# Altium PCB Control_Board_Model_C204.PcbDoc (part 1 of 6)
Units mm, origin at the board's own origin, x right, y up, seen from the top; angles counter-clockwise.
Board outline 50 x 50 mm, 8 copper layers (1-Top, 2-GND, 3-SIGNAL, 4-PWR, 5-GND, 6-SIGNAL, 7-GND, 8-Bottom), stack 0.972 mm thick; 432 components, 324 nets, 1521 pads, 1172 vias.
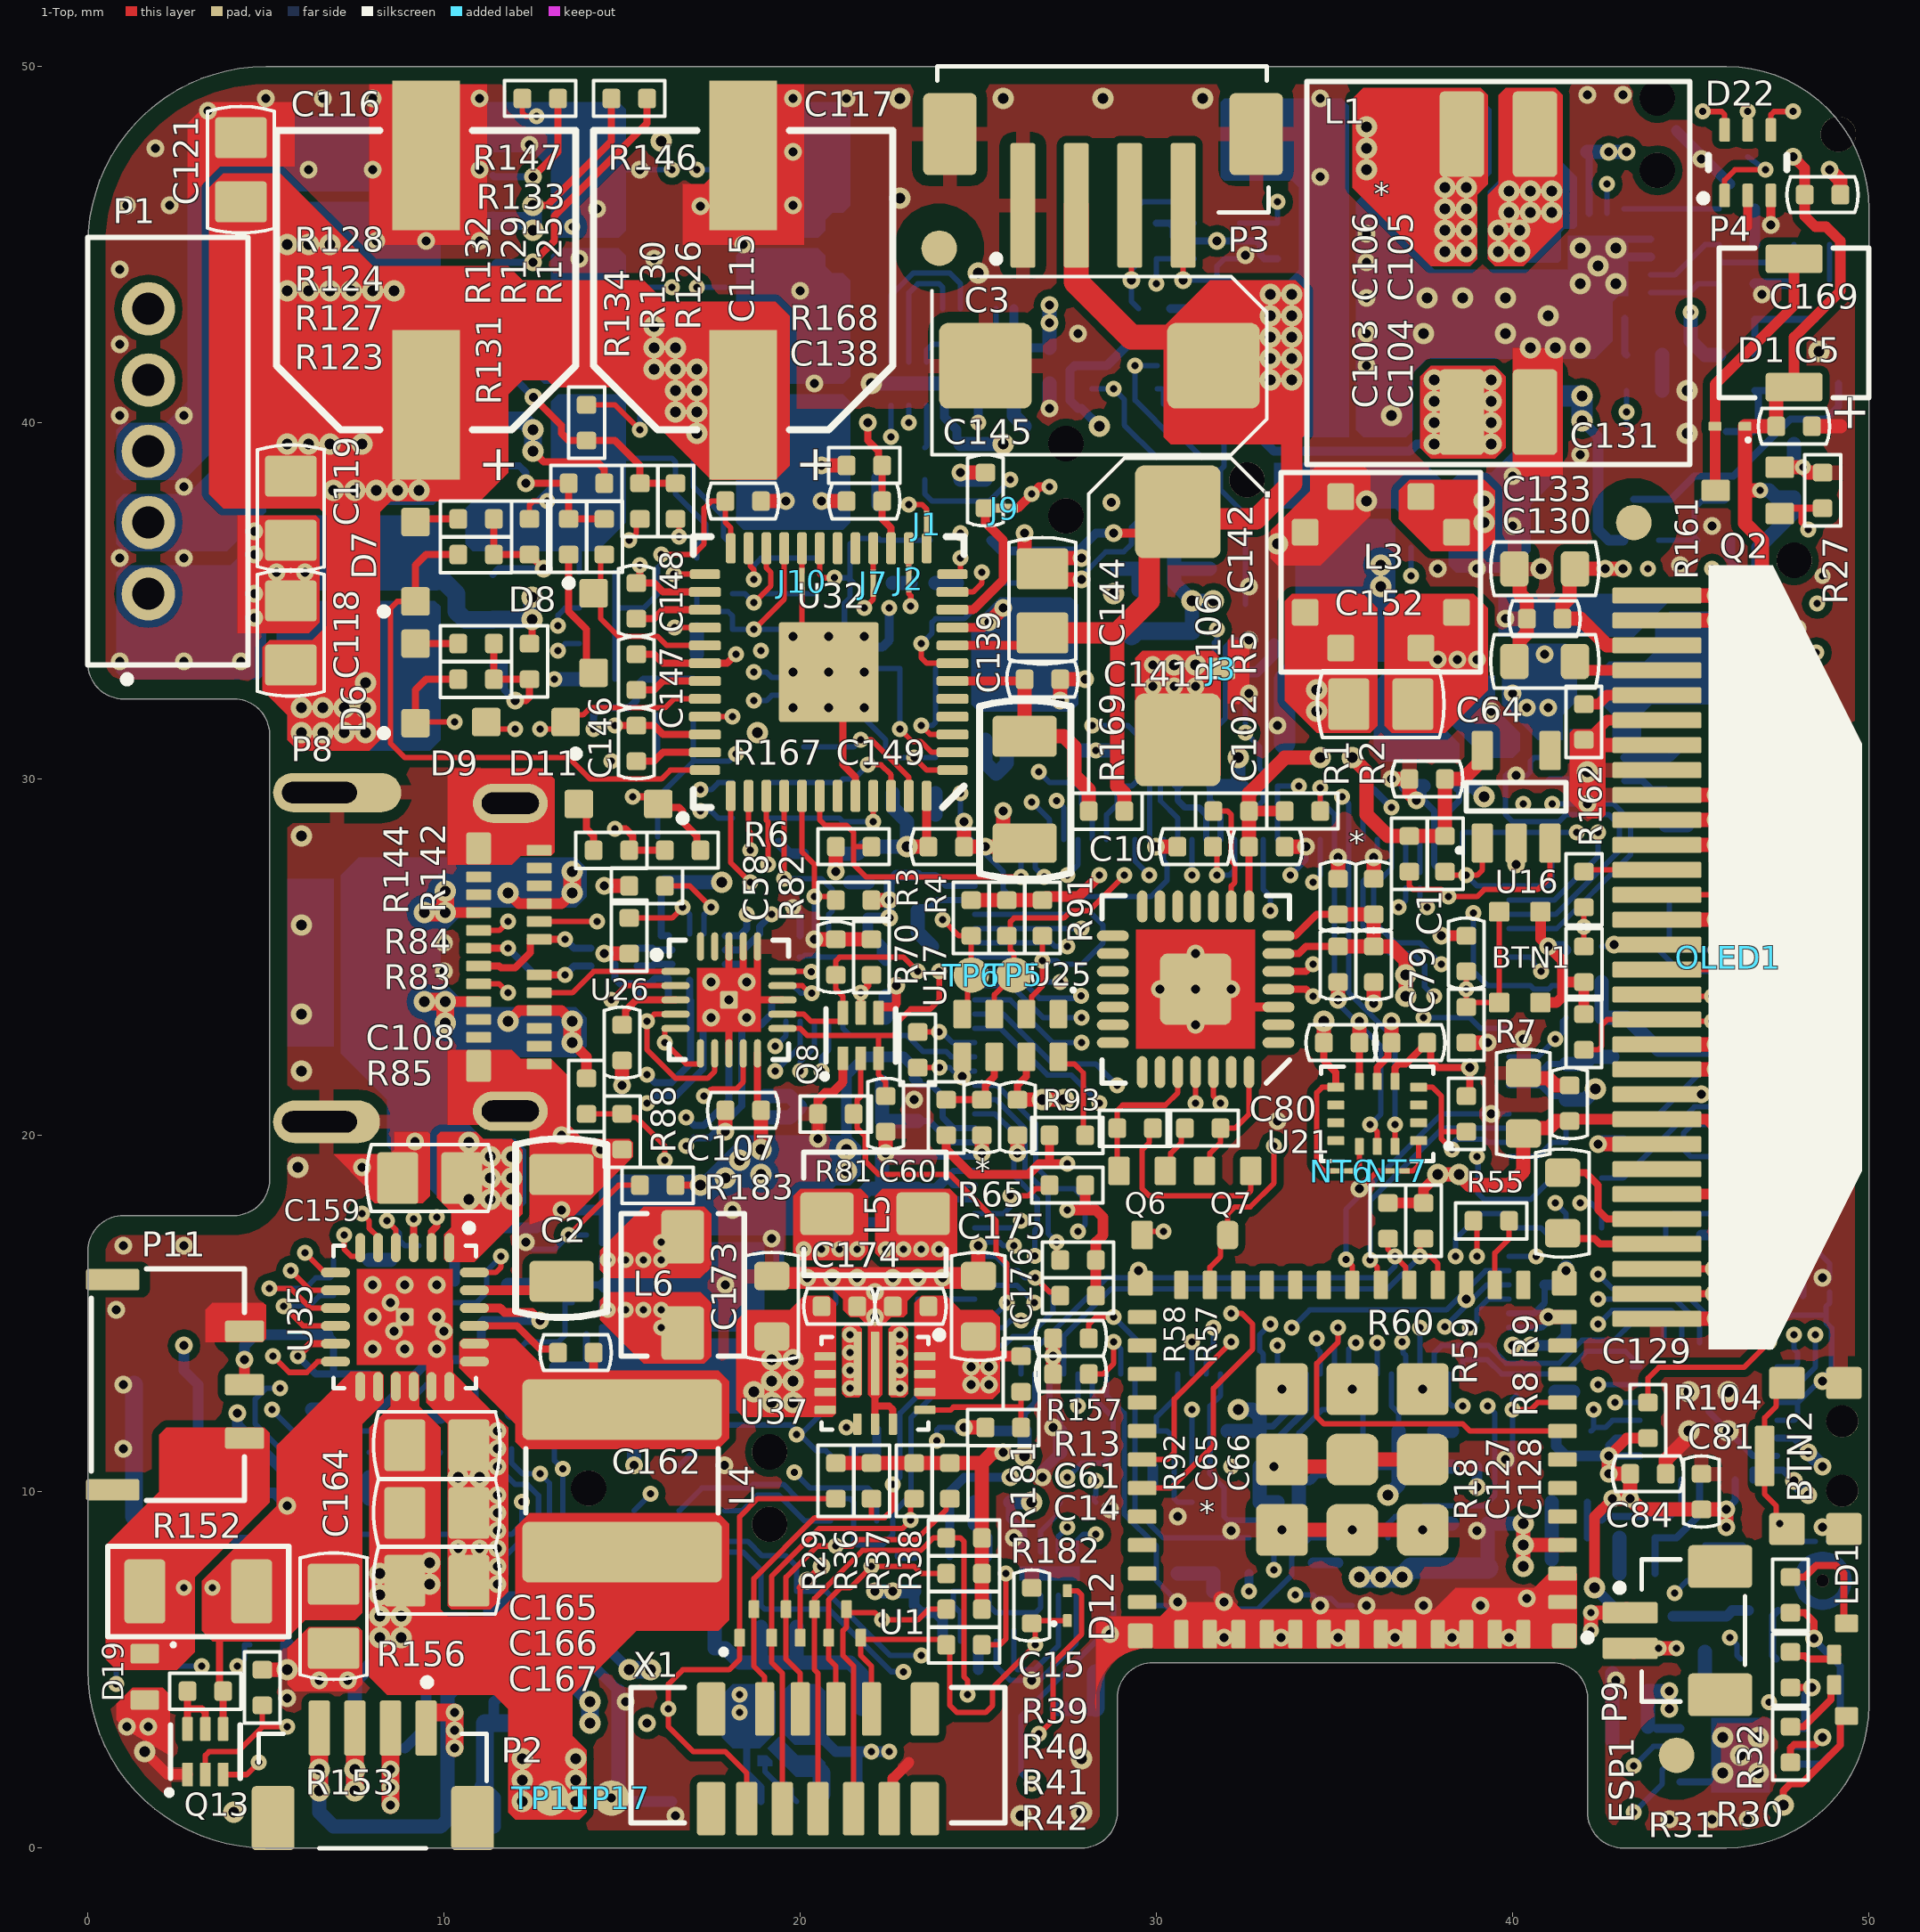
[diagram p0: 1-Top view]
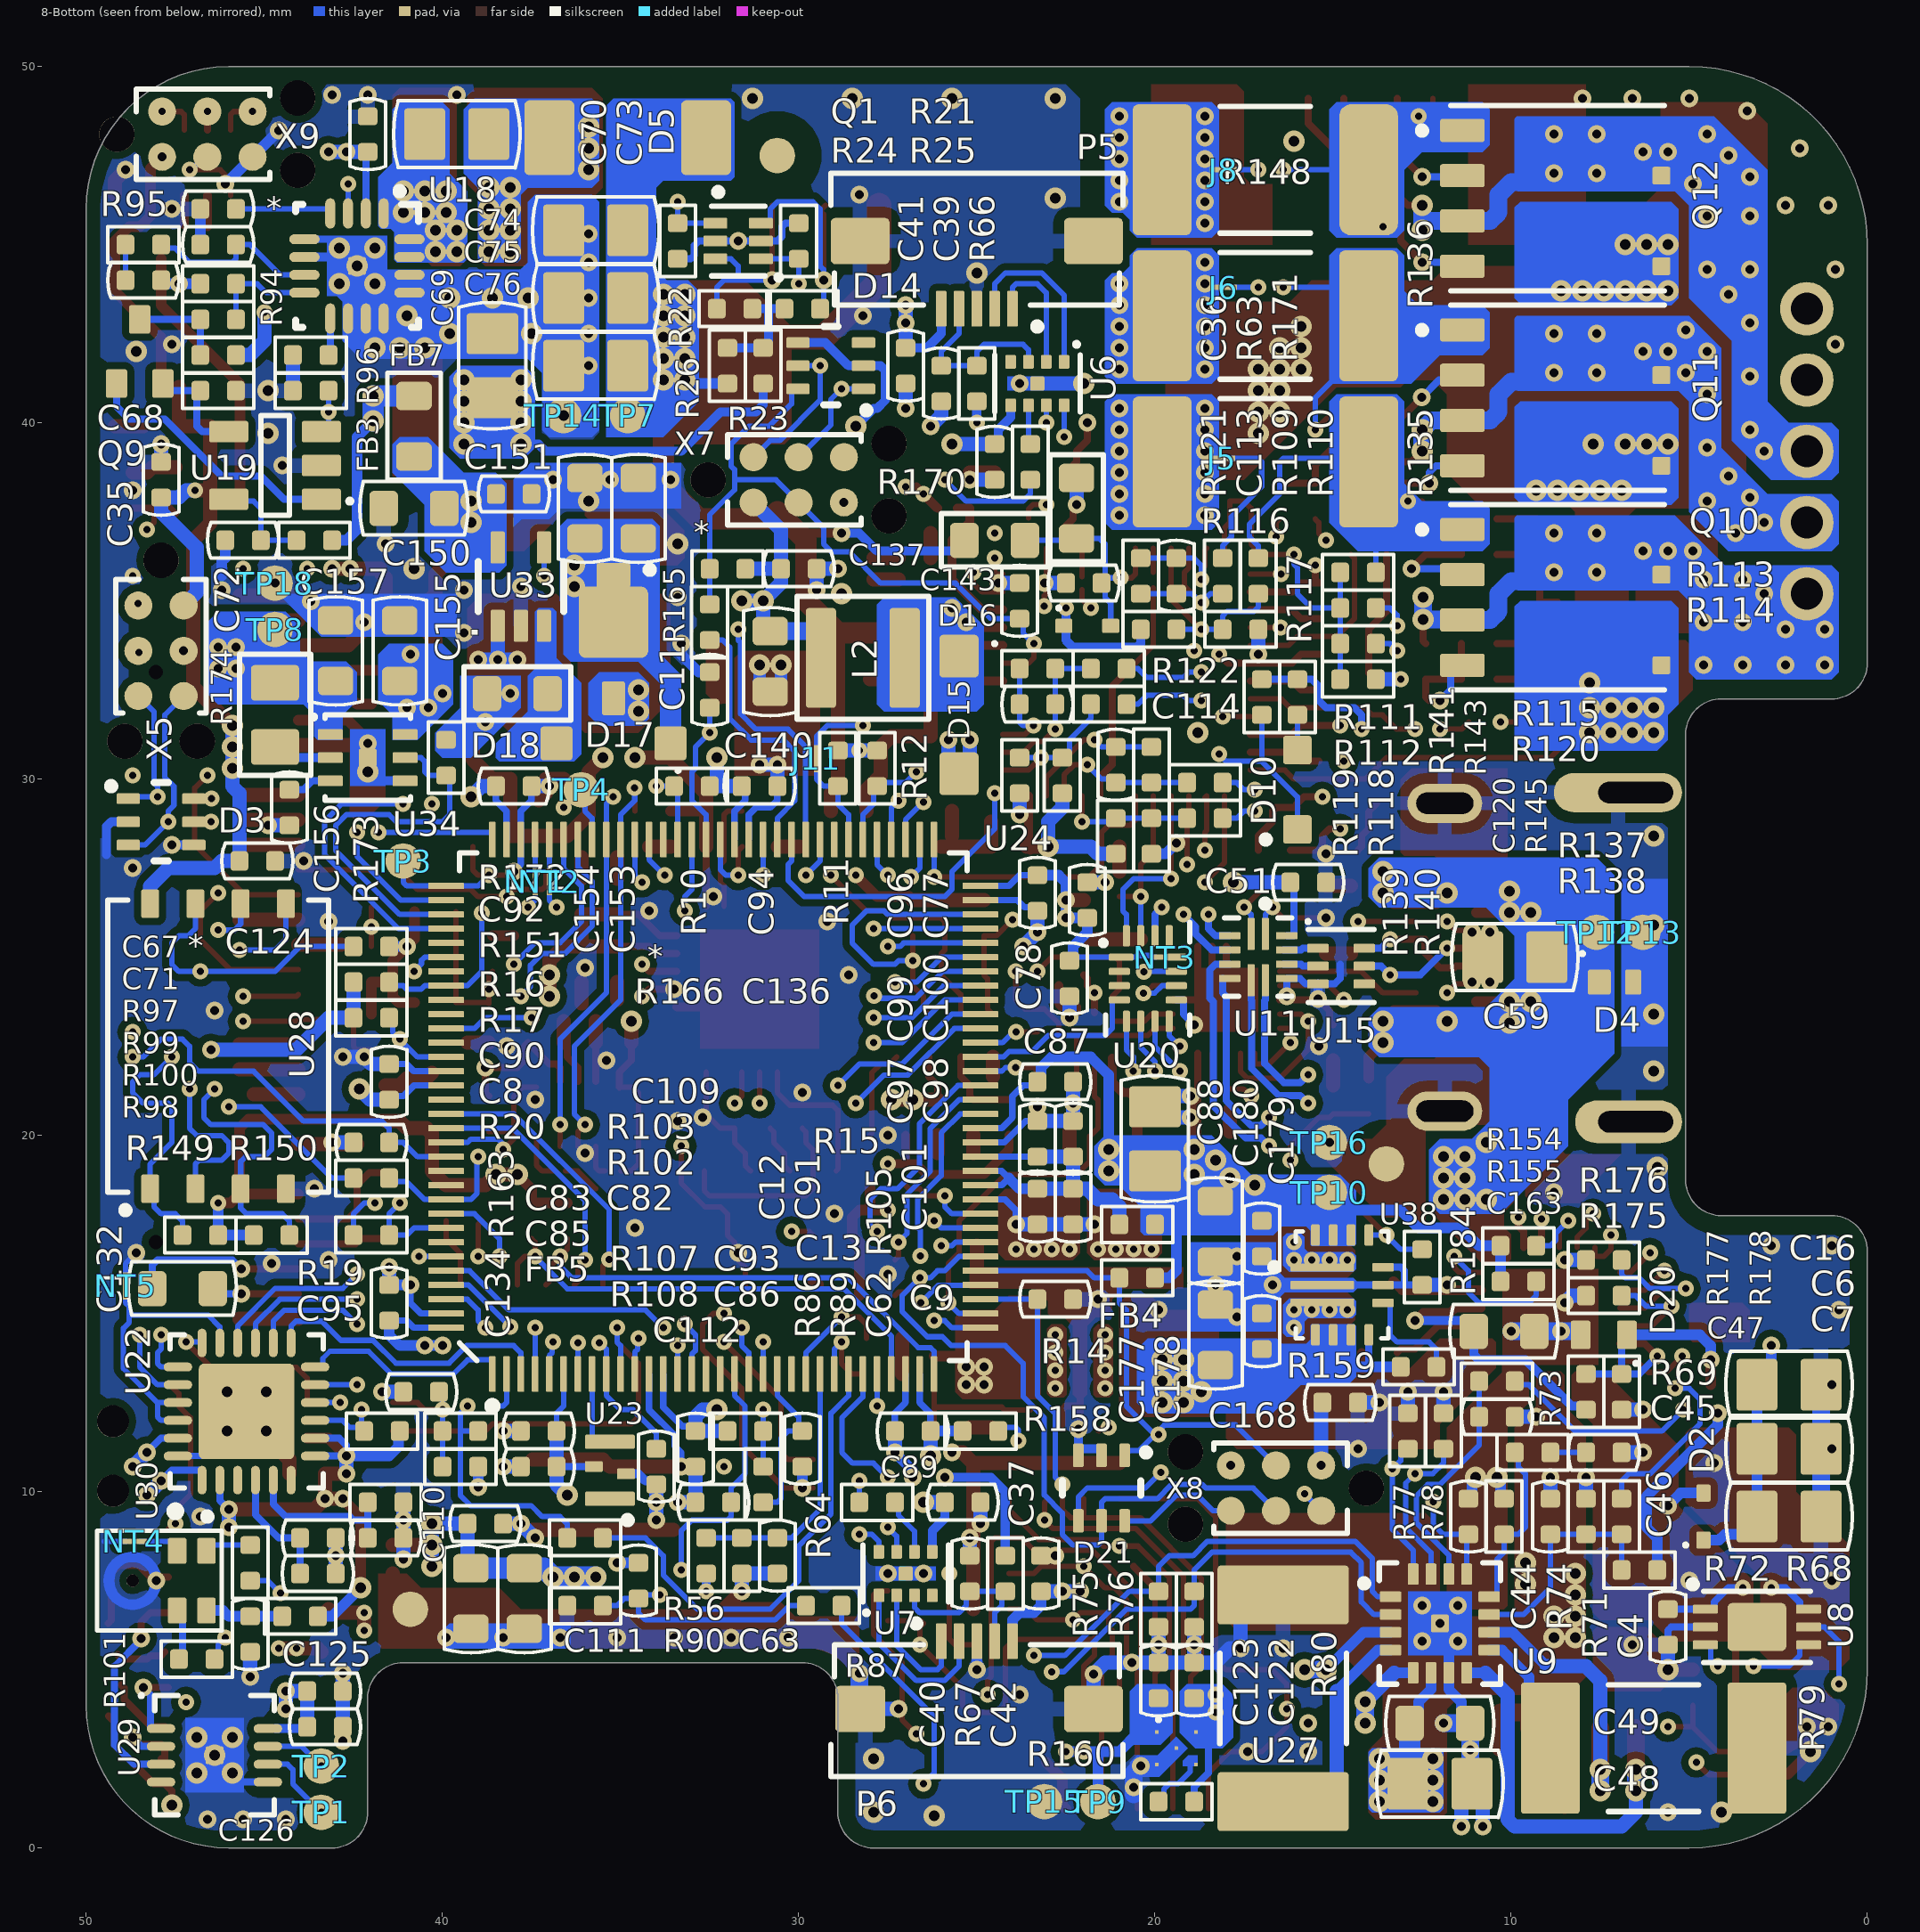
[diagram p1: 8-Bottom view, seen from below]
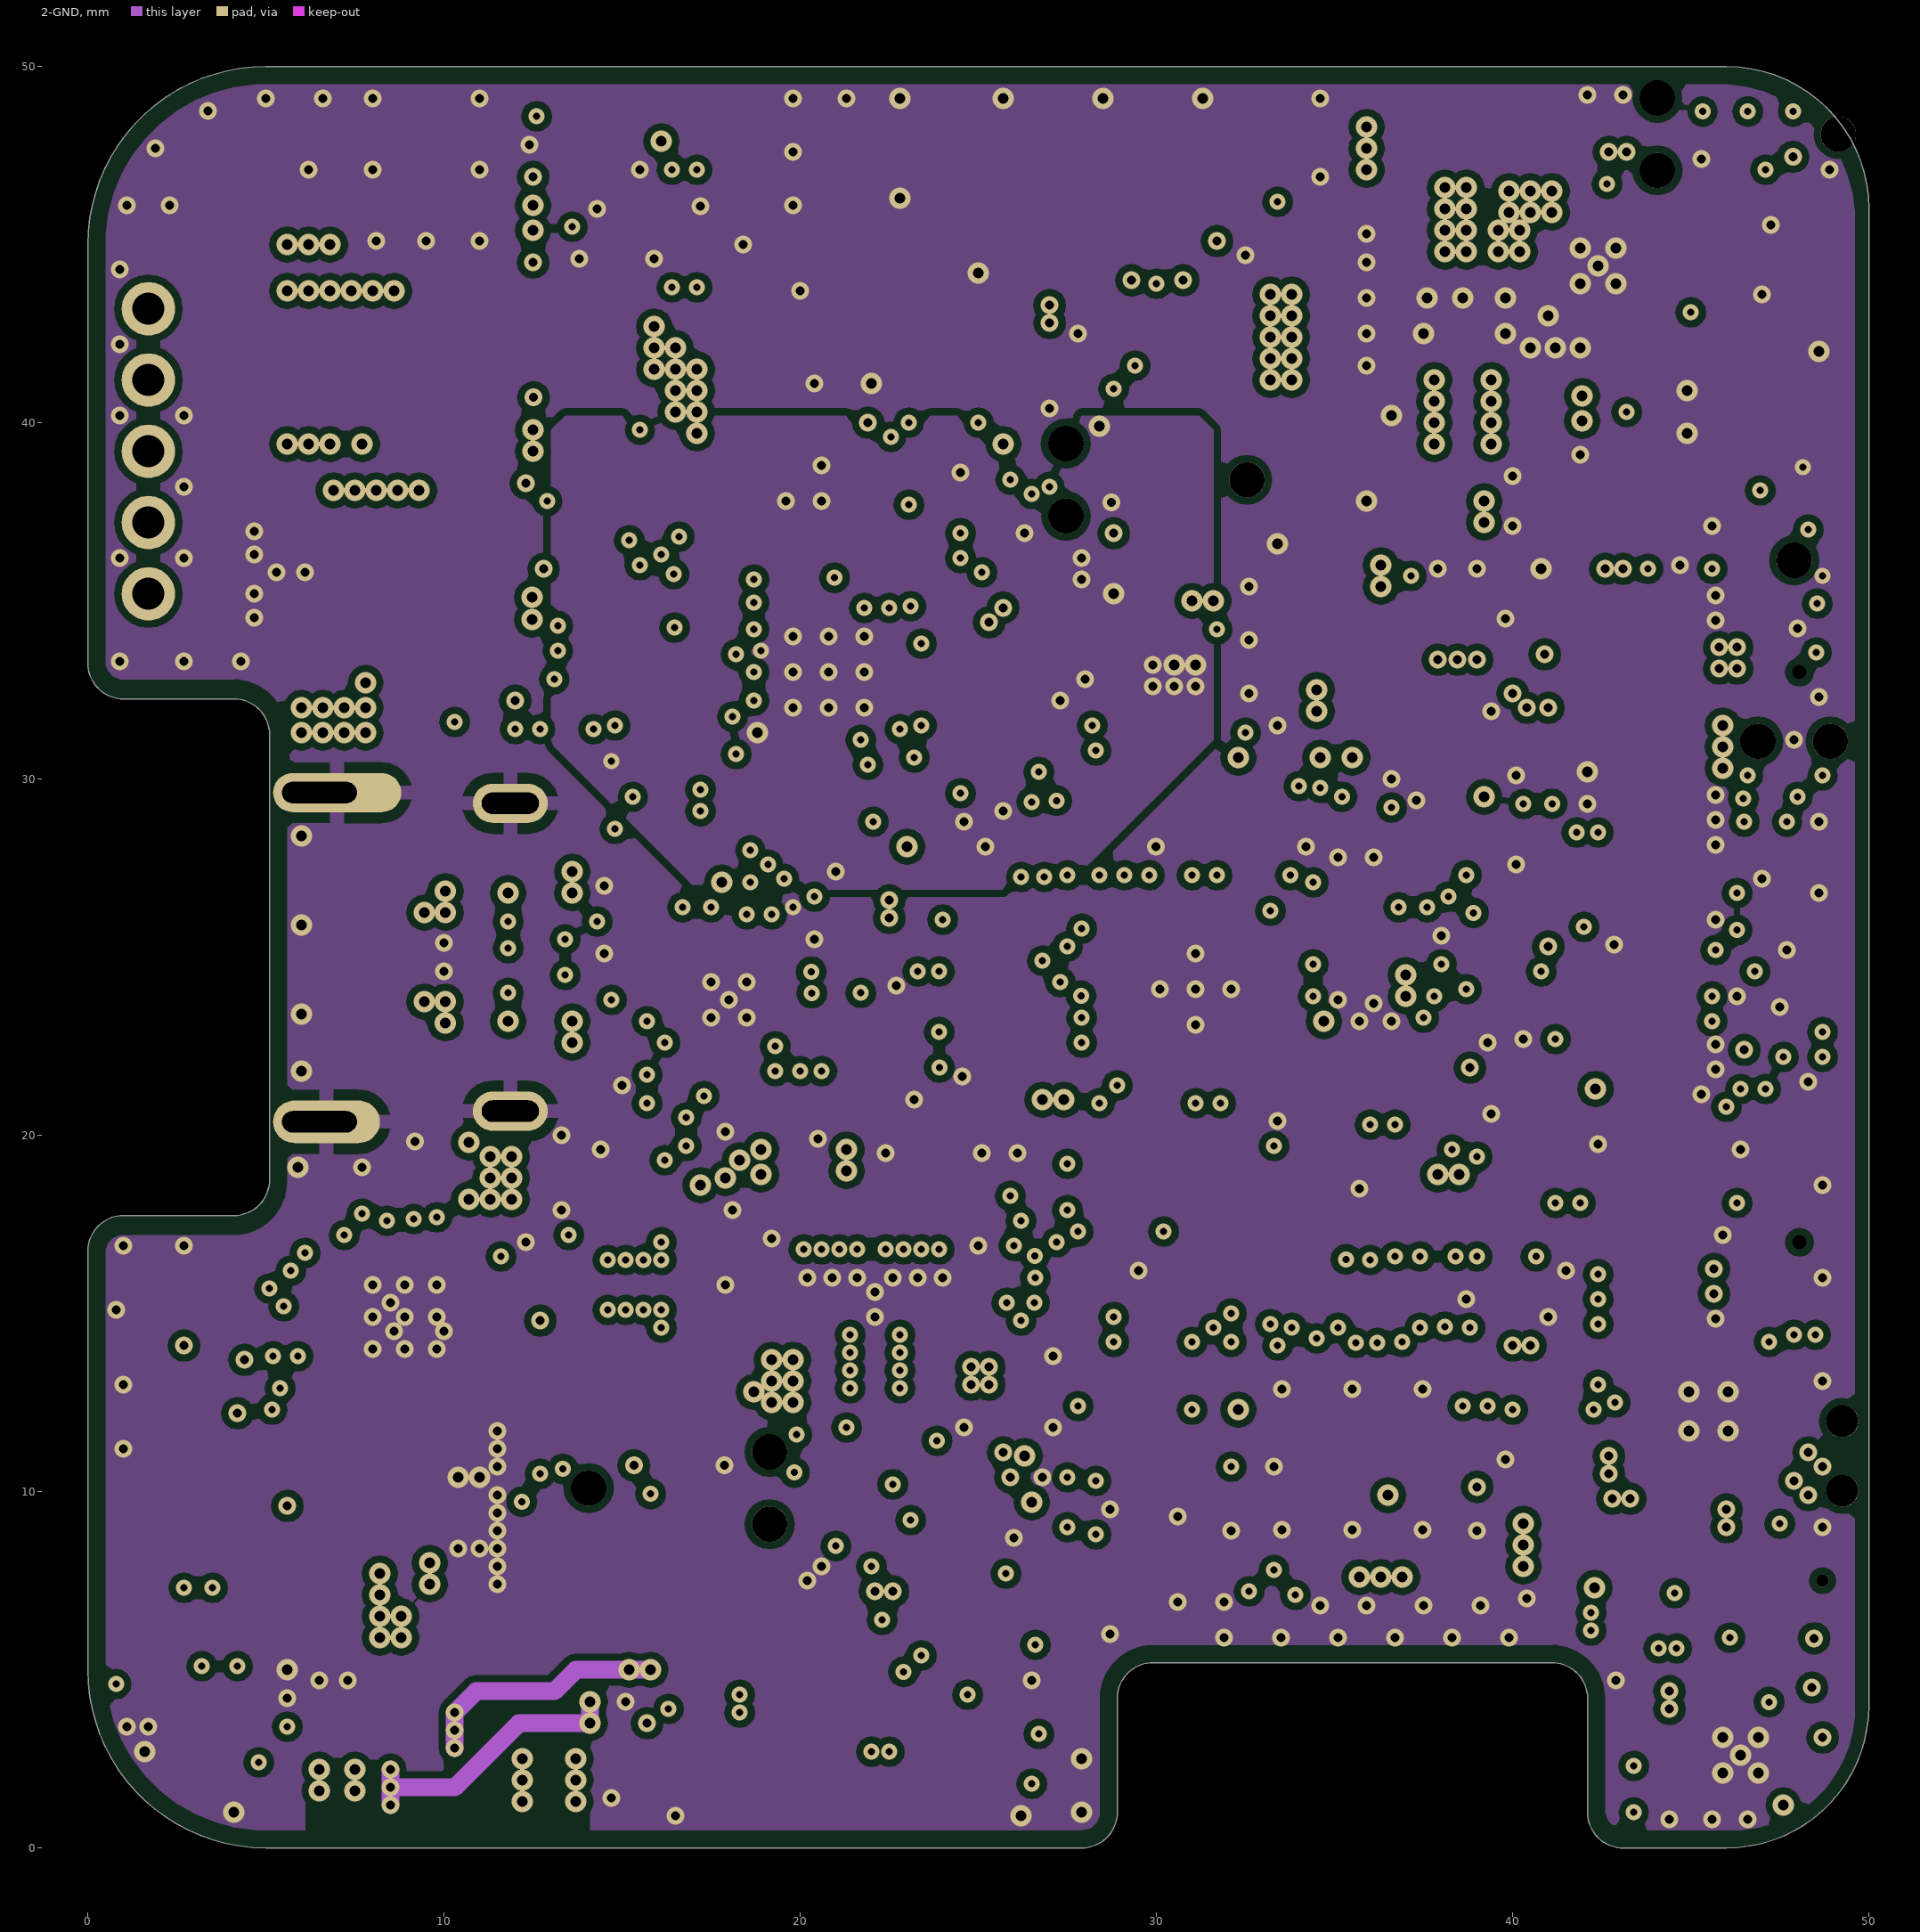
[diagram p2: 2-GND]
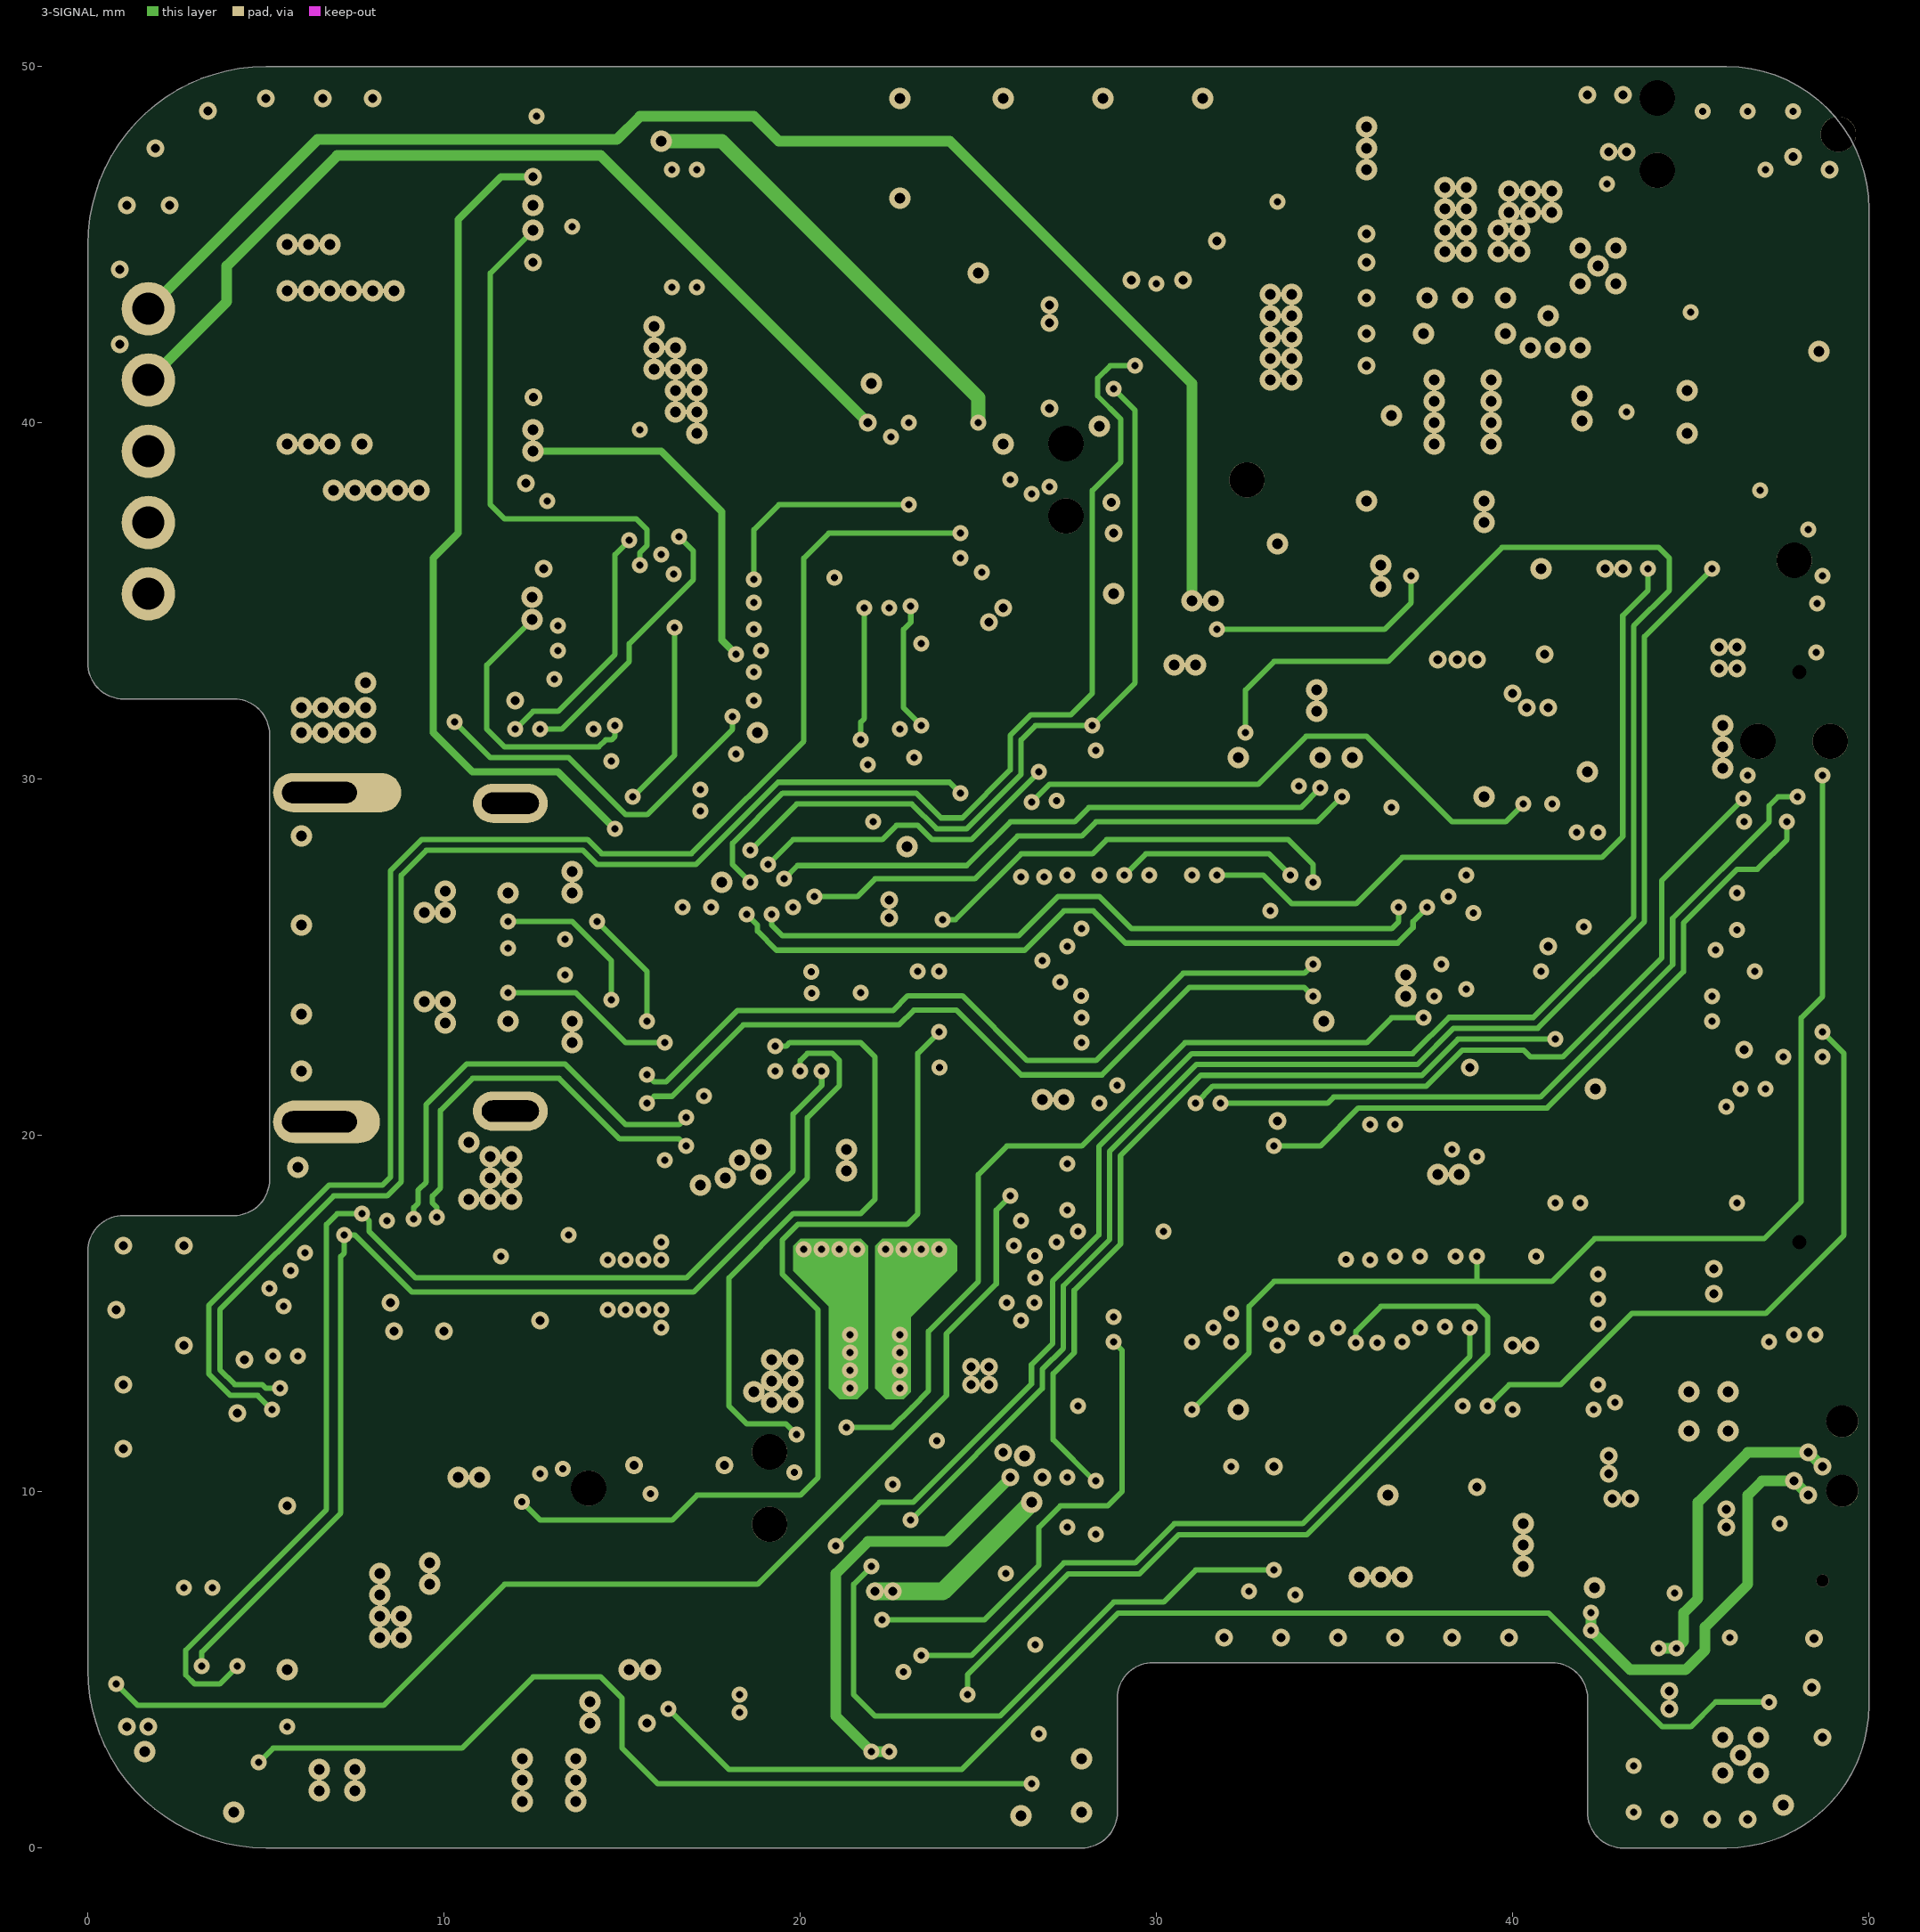
[diagram p3: 3-SIGNAL]